# Altium PCB NGIStepUpPCB.PcbDoc (part 1 of 2)
Units mm, origin at the board's own origin, x right, y up, seen from the top; angles counter-clockwise.
Board outline 160 x 100 mm, 2 copper layers (Top Layer, Bottom Layer); 155 components, 76 nets, 427 pads, 362 vias.
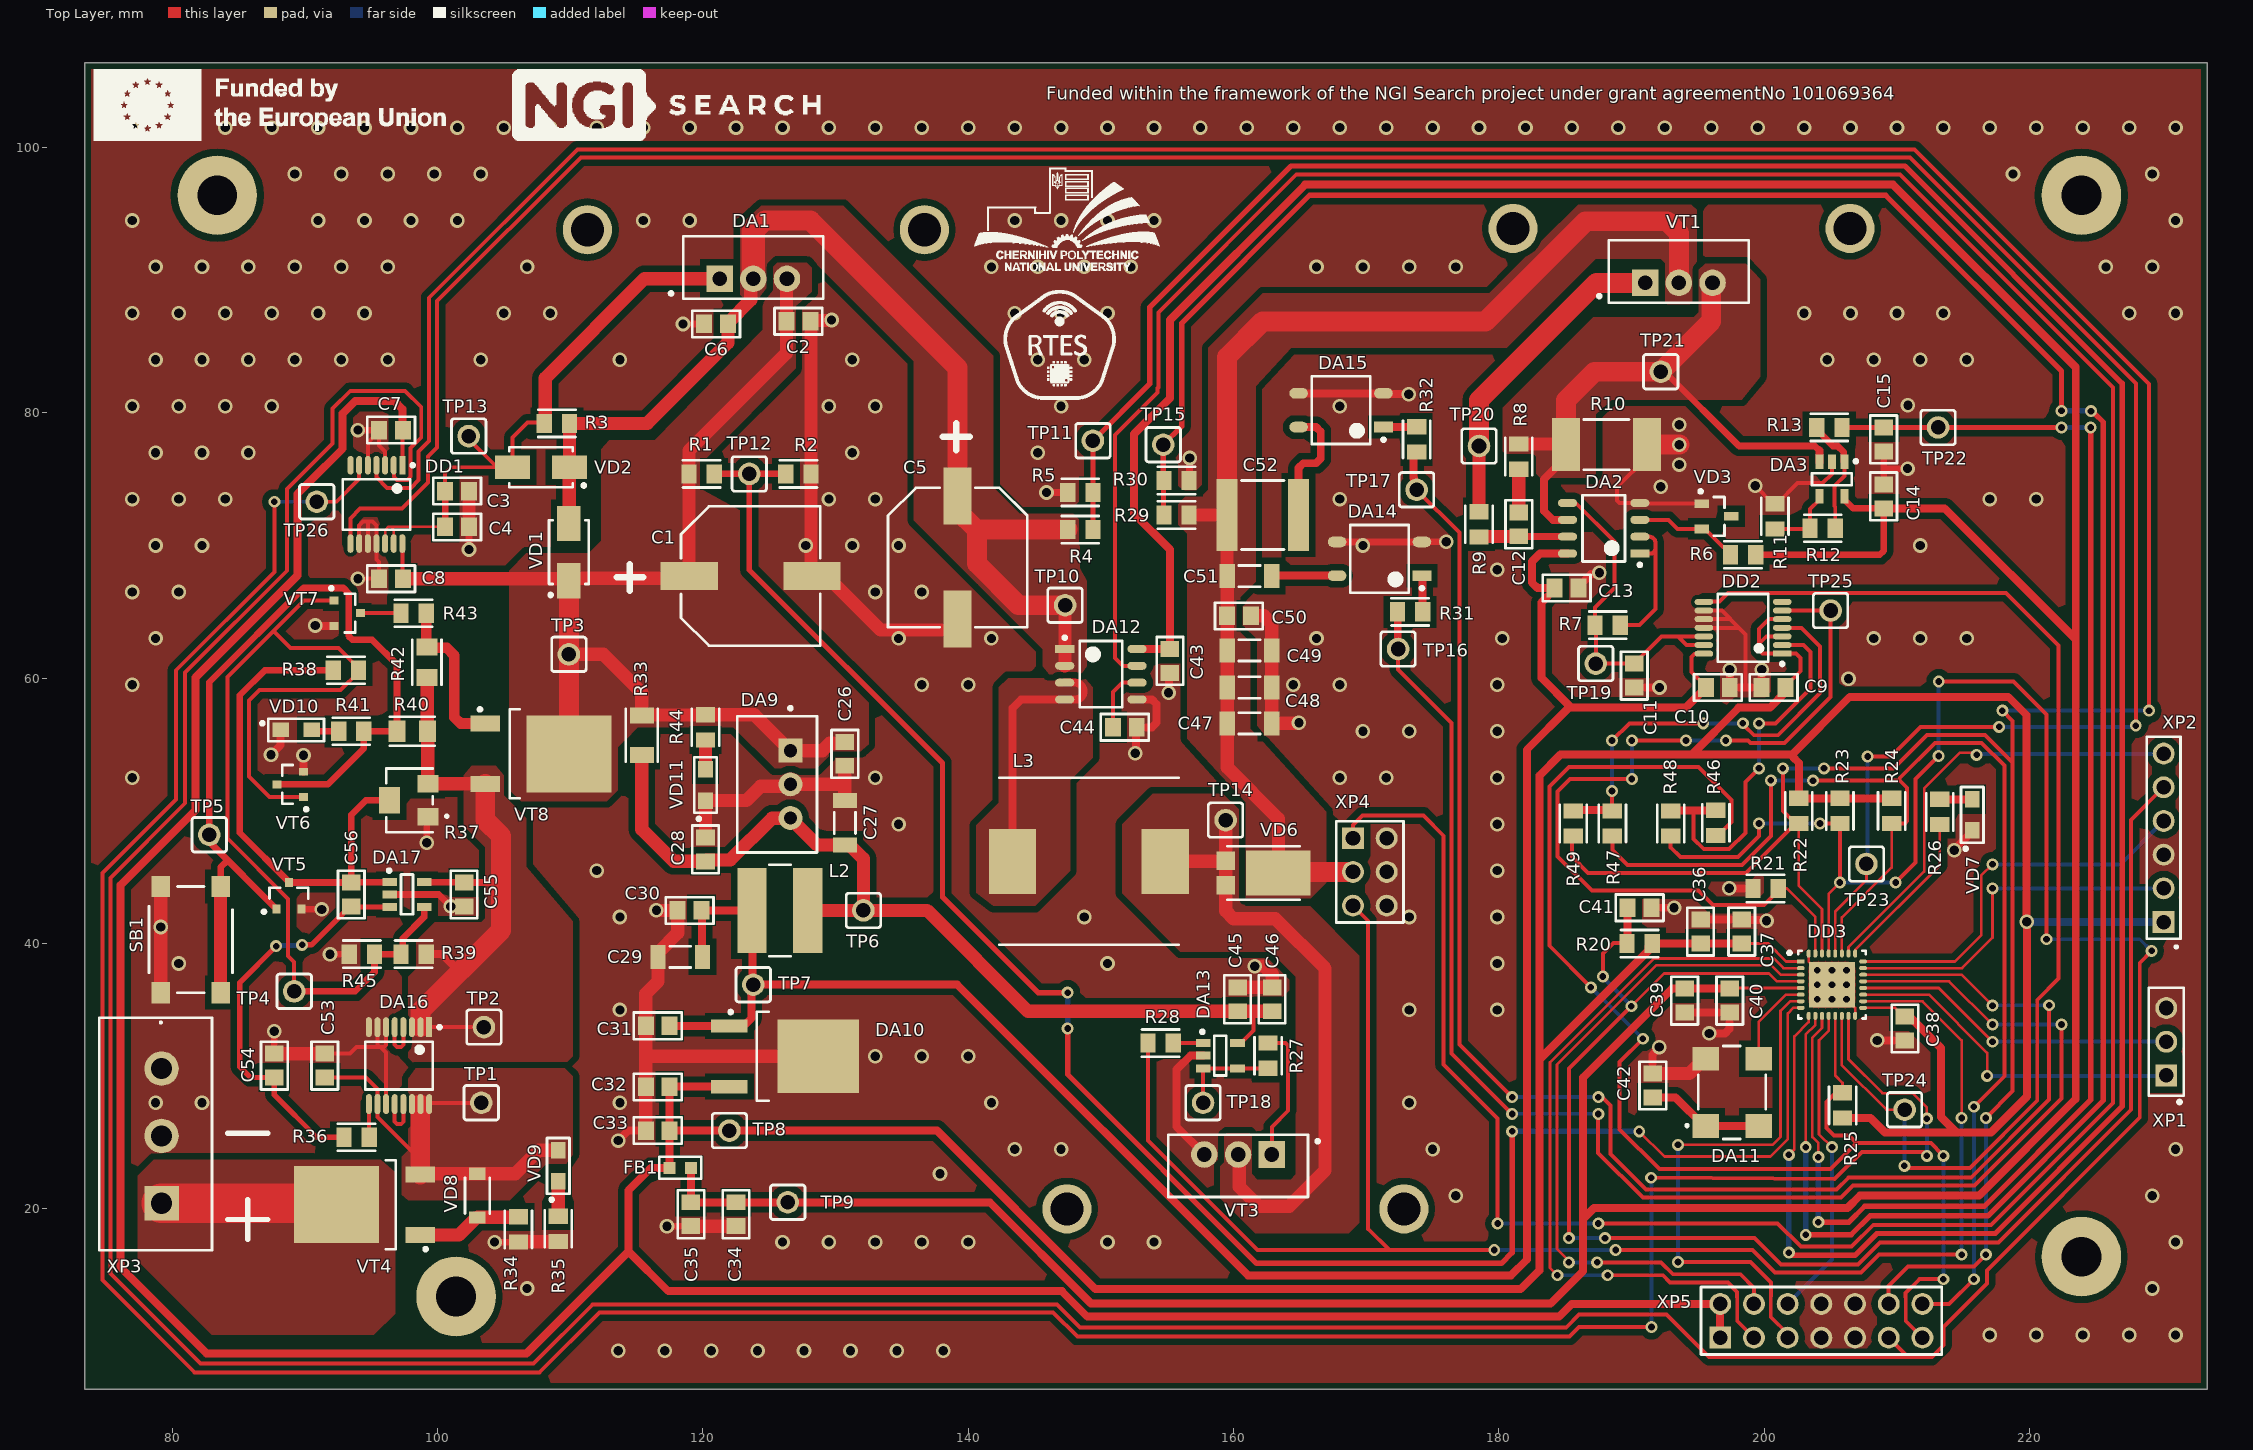
[diagram p0: Top Layer view]
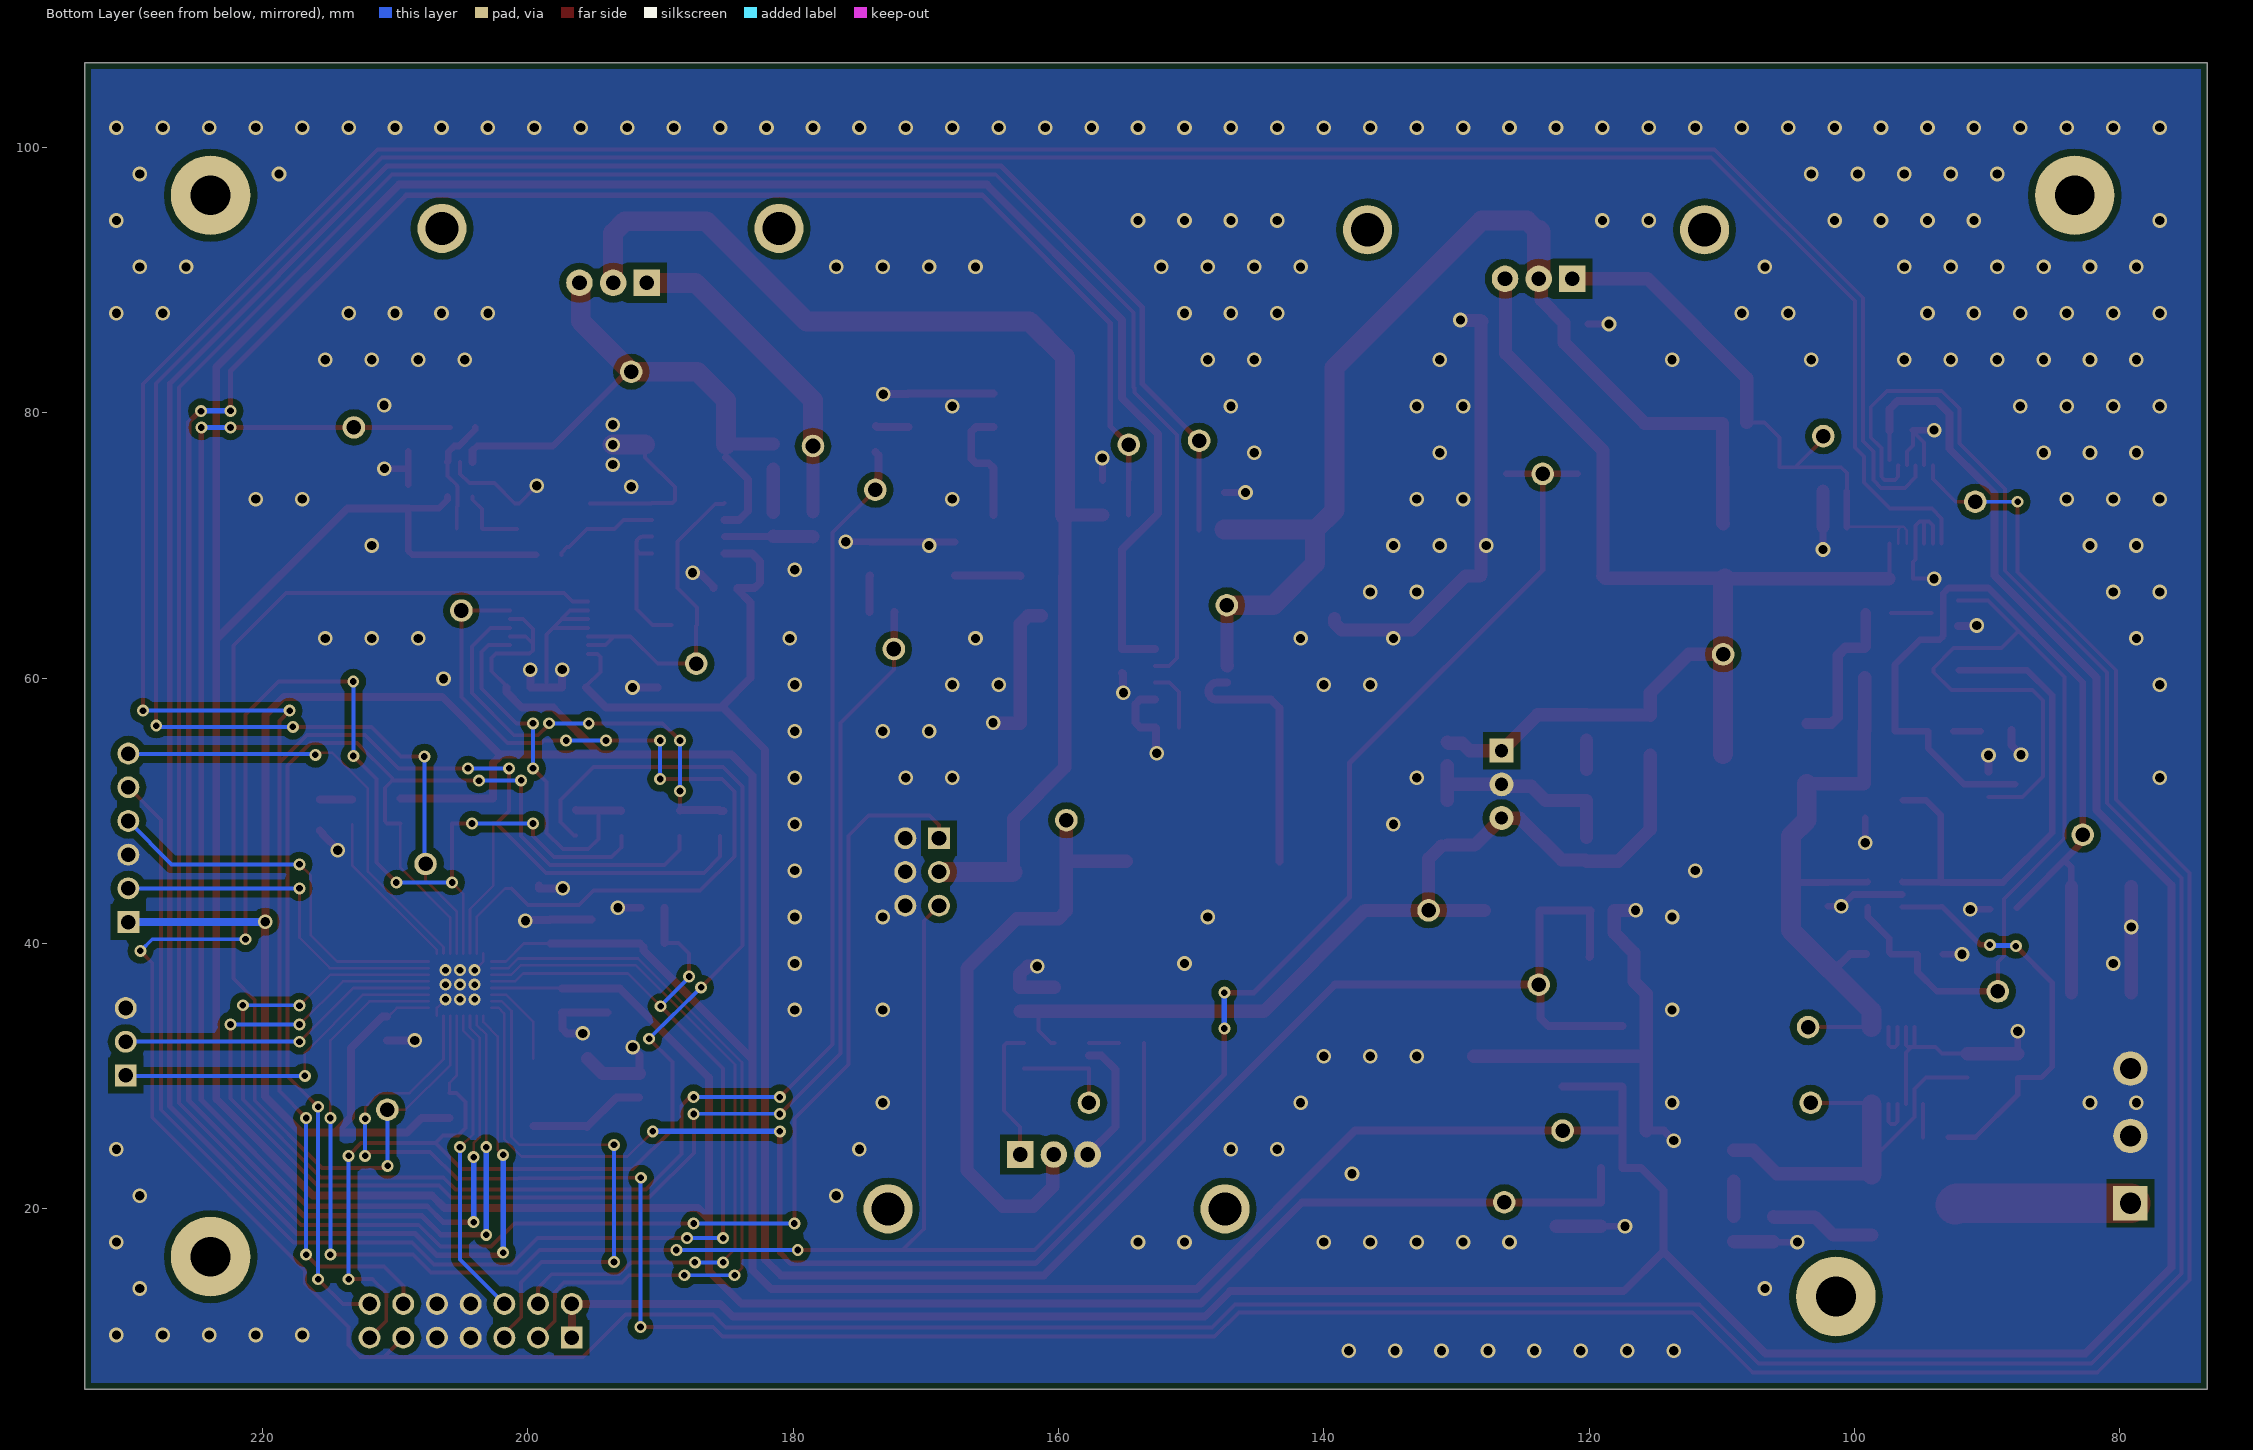
[diagram p1: Bottom Layer view, seen from below]
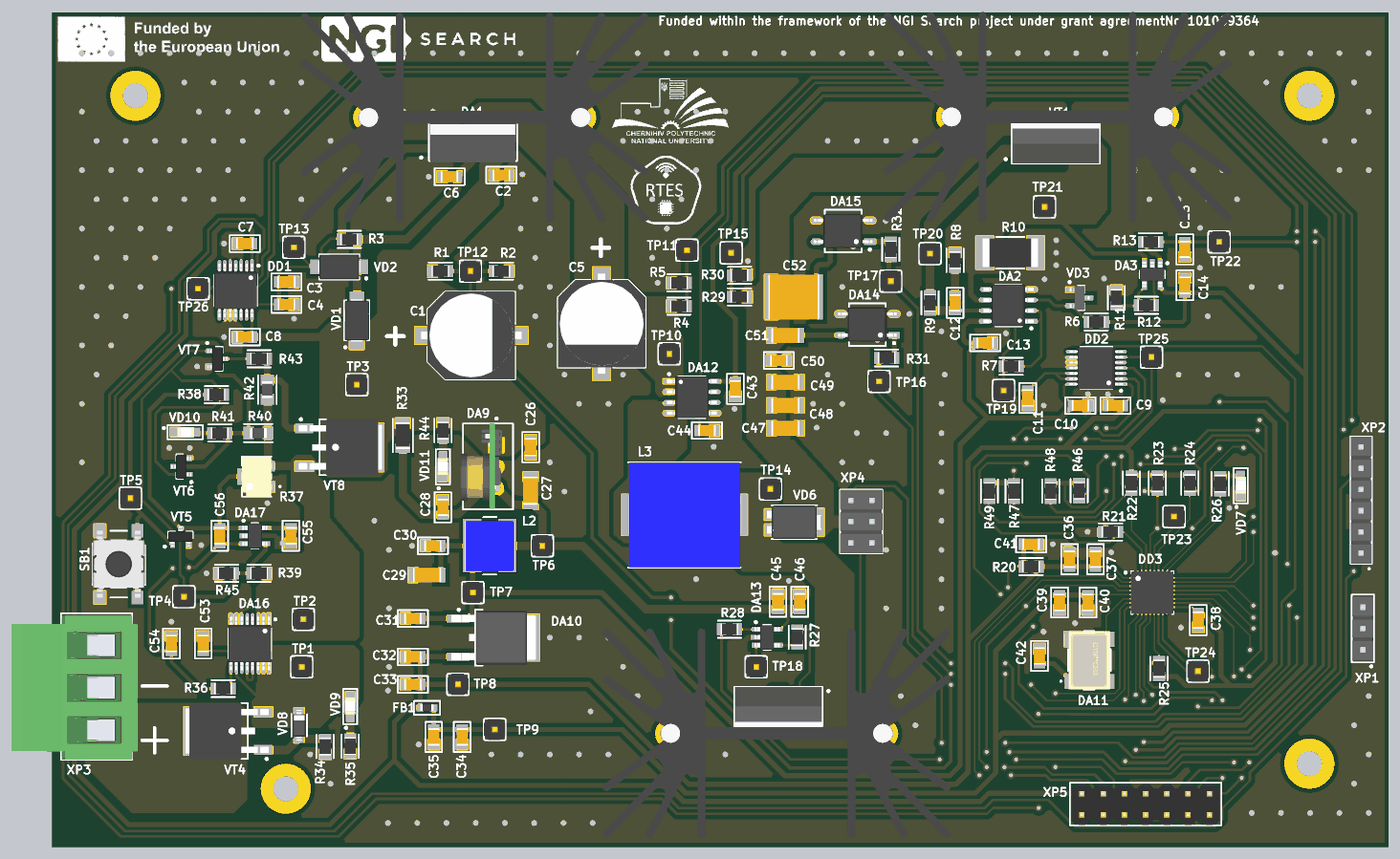
[diagram p3: 3D render of the assembled board from above, using the file's embedded part models]

## Layer stack, top to bottom
Top Solder: solder mask 0.0102, Solder Resist, Dk 3.5
Top Layer: signal copper 0.0356
Dielectric 1: dielectric 0.32, FR-4, Dk 4.8
Bottom Layer: signal copper 0.0356
Bottom Solder: solder mask 0.0102, Solder Resist, Dk 3.5

## Board outline
73.4,6.4 73.4,106.4 233.4,106.4 233.4,6.4

## Design rules (kind name [scope] priority, off if disabled: settings)
BoardOutlineClearance [All] p1: gap=0.5 ignorepadtopadclearanceinfootprint=FALSE except(1: SMDPad-OutlineEdge SMDPad-CavityEdge SMDPad-CutoutEdge SMDPad-SplitBarrior SMDPad-SplitContinuation THPad-OutlineEdge THPad-CavityEdge THPad-CutoutEdge THPad-SplitBarrior THPad-SplitContinuation Via-OutlineEdge Via-CavityEdge Via-CutoutEdge Via-SplitBarrior Via-SplitContinuation)
Clearance Clearance_TSSOP [All vs (HasFootprint('TSSOP-16') OR HasFootprint('TSOP-14'))] p1: gap=0.3 ignorepadtopadclearanceinfootprint=TRUE except(0: Arc-Hole Track-Hole SMDPad-Hole THPad-Hole Via-Hole Fill-Hole Poly-Hole Region-Hole Text-Hole; 0.25: Arc-Arc Arc-Track Arc-SMDPad Arc-Fill Arc-Poly Arc-Region Track-Track Track-SMDPad Track-Fill Track-Poly Track-Region)
Clearance Clearance_UFQFN [All vs HasFootprint('UFQFPN-32')] p2: gap=0.3 ignorepadtopadclearanceinfootprint=TRUE except(0: Arc-Hole Track-Hole SMDPad-Hole THPad-Hole Via-Hole Fill-Hole Poly-Hole Region-Hole Text-Hole; 0.2: Arc-Arc Arc-Track Arc-SMDPad Arc-Fill Arc-Poly Arc-Region Track-Track Track-SMDPad Track-Fill Track-Poly Track-Region SMDPad-SMDPad SMDPad-Fill SMDPad-Poly SMDPad-Region)
Clearance [All] p3: gap=0.3 ignorepadtopadclearanceinfootprint=TRUE except(0.5: Arc-Fill Arc-Poly Arc-Region Track-Fill Track-Poly Track-Region SMDPad-Fill SMDPad-Poly SMDPad-Region THPad-Fill THPad-Poly THPad-Region Via-Fill Via-Poly Via-Region Fill-Fill Fill-Poly Fill-Region Poly-Poly Poly-Region Region-Region)
ComponentClearance [All] p1: gap=0.3 collisioncheckmode=3 verticalgap=0.3 showdistances=FALSE
Height [All] p1: minheight=0 maxheight=100 prefheight=12.7
HoleSize [All] p1: absolutevalues=TRUE maxlimit=5 minlimit=0.3 maxpercent=80.000 minpercent=20.000
HoleToHoleClearance [All] p1: gap=0.6 allowstackedmicrovias=TRUE
MinimumSolderMaskSliver MinimumSolderMaskSliver_MCU [HasFootprint('UFQFPN-32') vs HasFootprint('UFQFPN-32')] p1: minsoldermaskwidth=0
MinimumSolderMaskSliver [All] p2: minsoldermaskwidth=0.1
PlaneConnect [All] p1: planeconnectstyle=Relief reliefexpansion=0.6 reliefentries=4 reliefconductorwidth=0.3 reliefairgap=0.3
PolygonConnect [All] p1: connectstyle=Direct reliefconductorwidth=0.3 reliefentries=4 polygonreliefangle="45 Angle" airgapwidth=0.3
RoutingCorners [All] p1: cornerstyle=45-Degree minsetback=2.5 maxsetback=2.5
RoutingVias [All] p1: holewidth=0.5 width=0.9 viastyle="Through Hole" minholewidth=0.3 minwidth=0.7 maxholewidth=0.7 maxwidth=1.1
SilkToSilkClearance [All] p1: silktosilkclearance=0.1
SilkToSolderMaskClearance [IsPad] p1: minsilkscreentomaskgap=0.2 clearancetoexposedcopper=TRUE
SolderMaskExpansion [All] p1: expansion=0.102
Width [All] p1: maxlimit=3 minlimit=0.2 preferedwidth=0.3
21 further rules are at their usual default settings.

## Classes and differential pairs
component class MCU: C36 C37 C38 C39 C40 C41 C42 DA11 DD3 R20 R21 R22 R23 R24 R25 R26 R46 R47 R48 R49 TP23 TP24 VD7 XP1 XP2 XP5
component class NGI_Search: XP3 XP4
component class "Polarity reversal and Short circuit protection": C53 C54 C55 C56 DA16 DA17 R34 R35 R36 R37 R38 R39 R40 R41 R42 R43 R44 R45 SB1 TP1 TP2 TP3 TP4 TP5 VD8 VD9 VD10 VD11 VT4 VT5 VT6 VT7 VT8
component class Power: C26 C27 C28 C29 C30 C31 C32 C33 C34 C35 DA9 DA10 FB1 L2 R33 TP6 TP7 TP8 TP9
component class "Regulated voltage input source": C1 C2 C3 C4 C5 C6 C7 C8 DA1 DD1 R1 R2 R3 R4 R5 TP10 TP11 TP12 TP13 TP26 VD1 VD2
component class "Regulate load": C9 C10 C11 C12 C13 C14 C15 DA2 DA3 DD2 R6 R7 R8 R9 R10 R11 R12 R13 TP19 TP20 TP21 TP22 TP25 VD3 VT1
component class Step-Up: C43 C44 C45 C46 C47 C48 C49 C50 C51 C52 DA12 DA13 DA14 DA15 L3 R27 R28 R29 R30 R31 R32 TP14 TP15 TP16 TP17 TP18 VD6

## Components (designator, comment, footprint, x,y, rotation, side; value= is the part's Value field where it differs from the comment)
C1 "EEH-ZA1V101P" EEH-ZA1V101P 123.6,67.7 r0 top value="100 uF"
C2 "CL21B104KBCNNWC" Capacitor0805_THICKNESS0.8 127.2,86.9 r0 top value="0.1 uF"
C3 "GRM21BR6YA106KE43K" Capacitor0805_THICKNESS1.45 101.475,74.1 r180 top value="10 uF"
C4 "CL21B104KBCNNWC" Capacitor0805_THICKNESS0.8 101.475,71.4 r180 top value="0.1 uF"
C5 "EEH-ZA1V101P" EEH-ZA1V101P 139.2,69.1 r270 top value="100 uF"
C6 "CL21B104KBCNNWC" Capacitor0805_THICKNESS0.8 121,86.7 r0 top value="0.1 uF"
C7 "CL21B104KBCNNWC" Capacitor0805_THICKNESS0.8 96.5,78.7 r0 top value="0.1 uF"
C8 "CL21B104KBCNNWC" Capacitor0805_THICKNESS0.8 96.5,67.5 r0 top value="0.1 uF"
C9 "CL21B104KBCNNWC" Capacitor0805_THICKNESS0.8 200.7,59.3 r0 top value="0.1 uF"
C10 "CL21B104KBCNNWC" Capacitor0805_THICKNESS0.8 196.5,59.3 r180 top value="0.1 uF"
C11 "CL21B103KBANNNL" Capacitor0805_THICKNESS0.8 190.2,60.2 r90 top value="0.01 uF"
C12 "CL21B223KBANNND" Capacitor0805_THICKNESS0.8 181.5,71.6 r270 top value="0.022 uF"
C13 "CL21B104KBCNNWC" Capacitor0805_THICKNESS0.8 185.1,66.8 r180 top value="0.1 uF"
C14 "CL21B104KBCNNWC" Capacitor0805_THICKNESS0.8 209,73.7 r270 top value="0.1 uF"
C15 "C0805C333K5RAC" Capacitor0805_THICKNESS0.8 209,78 r90 top value="0.033 uF"
C26 "GRM21BR6YA106KE43K" Capacitor0805_THICKNESS1.45 130.7,54.3 r90 top value="10 uF"
C27 "C3216X5R1V226M160AC" Capacitor1206_THICKNESS1.6 130.7,49.1 r270 top value="22 uF"
C28 "CL21B104KBCNNWC" Capacitor0805_THICKNESS0.8 120.2,47.1 r270 top value="0.1 uF"
C29 "C3216X5R1V226M160AC" Capacitor1206_THICKNESS1.6 118.3,39 r0 top value="22 uF"
C30 "CL21B104KBCNNWC" Capacitor0805_THICKNESS0.8 119,42.5 r0 top value="0.1 uF"
C31 "CC0805KKX7R8BB334" Capacitor0805_THICKNESS1.25 116.6,33.8 r0 top value=0.33uF
C32 "CL21B104KBCNNWC" Capacitor0805_THICKNESS0.8 116.6,29.2 r0 top value="0.1 uF"
C33 "GRM21BR61A476ME15K" Capacitor0805_THICKNESS1.25 116.6,25.9 r0 top value="47 uF"
C34 "CL21A475KAQNNNF" Capacitor0805_THICKNESS1.25 122.5,19.6 r90 top value="4.7 uF"
C35 "CL21B104KBCNNWC" Capacitor0805_THICKNESS0.8 119.1,19.6 r90 top value="0.1 uF"
C36 "CL21A475KAQNNNF" Capacitor0805_THICKNESS1.25 195.2,40.9 r270 top value="4.7 uF"
C37 "CL21B104KBCNNWC" Capacitor0805_THICKNESS0.8 198.3,40.9 r270 top value="0.1 uF"
C38 "CL21B104KBCNNWC" Capacitor0805_THICKNESS0.8 210.6,33.6 r90 top value="0.1 uF"
C39 "CL21B105KAFNFNE" Capacitor0805_THICKNESS1.25 194,35.7 r90 top value="1 uF"
C40 "CL21B103KBANNNL" Capacitor0805_THICKNESS0.8 197.4,35.7 r90 top value="0.01 uF"
C41 "CL21B104KBCNNWC" Capacitor0805_THICKNESS0.8 190.6,42.7 r180 top value="0.1 uF"
C42 "CL21B103KBANNNL" Capacitor0805_THICKNESS0.8 191.6,29.3 r270 top value="0.01 uF"
C43 "CL21B105KAFNFNE" Capacitor0805_THICKNESS1.25 155.2,61.3 r270 top value="1 uF"
C44 "CC0805CRNPO9BN5R0" Capacitor0805_THICKNESS0.6 151.8,56.3 r180 top value="5 pF"
C45 "CL21A475KAQNNNF" Capacitor0805_THICKNESS1.25 160.3,35.8 r270 top value="4.7 uF"
C46 "CL21B104KBCNNWC" Capacitor0805_THICKNESS0.8 162.9,35.8 r270 top value="0.1 uF"
C47 "C3216X5R1V226M160AC" Capacitor1206_THICKNESS1.6 161.2,56.6 r180 top value="22 uF"
C48 "C3216X5R1V226M160AC" Capacitor1206_THICKNESS1.6 161.2,59.3 r180 top value="22 uF"
C49 "C3216X5R1V226M160AC" Capacitor1206_THICKNESS1.6 161.2,62.1 r0 top value="22 uF"
C50 "CL21B104KBCNNWC" Capacitor0805_THICKNESS0.8 160.4,64.7 r0 top value="0.1 uF"
C51 "C3216X5R1V226M160AC" Capacitor1206_THICKNESS1.6 161.2,67.7 r0 top value="22 uF"
C52 "C5750X7R1V476M230KC" Capacitor2220_THICKNESS3.1 162.2,72.3 r180 top value=47uF
C53 "CL21B104KBCNNWC" Capacitor0805_THICKNESS0.8 91.5,30.8 r270 top value="0.1 uF"
C54 "CC0805JRNPO9BN681" Capacitor0805_THICKNESS0.6 87.7,30.8 r270 top value=680pF
C55 "CL21B104KBCNNWC" Capacitor0805_THICKNESS0.8 102,43.7 r90 top value="0.1 uF"
C56 "CC0805JRNPO9BN100" Capacitor0805_THICKNESS0.6 93.5,43.7 r90 top value="10 pF"
DA1 "LM338T" "LM338T TO-220 with HS FA-T220-64E" 123.8,90.1 r0 top
DA2 "LM258DRG4" SOIC-8 187.9,71.3 r180 top
DA3 "AD8601WDRTZ-REEL" "SOT-23 5pin" 205.1,75 r270 top
DA9 "PXO7812-500-S" PXO7812-500-S_POSITIVEOUTPUT 126.6,54.54 r270 top
DA10 "UA78M33CKVURG3" "TO-252 3pin THICKNESS2.52" 126.2,31.5 r0 top
DA11 "ASV-8.000MHZ-EJ-T" "HCMOS 7 mm x 5 mm" 197.4,28.9 r0 top value="8 Mhz"
DA12 "CT426-HSN820DR" SOIC-8 150,60.3 r0 top
DA13 "IRS44273LTRPBF" "SOT-23 5pin" 159,31.55 r0 top
DA14 "G3VM-61GR2" SOP-4 171,69 r180 top
DA15 "G3VM-61GR2" SOP-4 168.1,80.2 r180 top
DA16 "INA250A1PWR" TSSOP-16 97.1,30.8 r270 top
DA17 "TLV1701AIDCKR" "SOT-23 5pin" 97.7,43.7 r0 top
DD1 "MCP45HV51-502E/ST" TSOP-14 95.4,73.1 r270 top
DD2 "MCP45HV51-502E/ST" TSOP-14 198.4,63.8 r180 top
DD3 "STM32L432KCU6" UFQFPN-32 205.1,36.9 r0 top
FB1 "742792664" "742792664_Ferrite Beads_0603" 118.3,23.1 r0 top value=1000Ohm
L2 "SRN6045HA-470M" SRN6045HA-470M 125.8,42.5 r180 top value="47 uH"
L3 "PA4343.223ANLT" "PA4343.223ANLT_Footprint 2" 149.1,46.2 r0 top value="22 uH"
R1 "RC0805FR-079K1L" Resistor0805_THICKNESS0.6 119.9,75.4 r0 top value="9.1 kOhms"
R2 "RC0805FR-101K3L" Resistor0805_THICKNESS0.6 127.2,75.4 r0 top value="1.3 kOhms"
R3 "RC0805FR-07120RL" Resistor0805_THICKNESS0.6 109,79.2 r0 top value="120 Ohms"
R4 "RC0805FR-079K1L" Resistor0805_THICKNESS0.6 148.45,71.2 r0 top value="9.1 kOhms"
R5 "RC0805FR-101K3L" Resistor0805_THICKNESS0.6 148.45,74 r180 top value="1.3 kOhms"
R6 "RC0805FR-103K9L" Resistor0805_THICKNESS0.6 198.4,69.3 r0 top value=3.9kOhms
R7 "RC0805FR-1020KL" Resistor0805_THICKNESS0.6 188.2,64 r0 top value="20 kOhms"
R8 "RC0805FR-072KL" Resistor0805_THICKNESS0.6 181.5,76.7 r270 top value="2 kOhms"
R9 "RC0805FR-07120RL" Resistor0805_THICKNESS0.6 178.5,71.6 r90 top value="120 Ohms"
R10 "CRA2512-FZ-R100ELF" Resistor2512_THICKNESS_0.9 188.1,77.6 r180 top value="100 mOhms"
R11 "RC0805FR-072KL" Resistor0805_THICKNESS0.6 200.8,72.2 r90 top value="2 kOhms"
R12 "RC0805FR-0710KL" Resistor0805_THICKNESS0.6 204.4,71.3 r0 top value="10 kOhms"
R13 "RC0805FR-07120RL" Resistor0805_THICKNESS0.6 204.9,78.9 r0 top value="120 Ohms"
R20 "RC0805FR-0710KL" Resistor0805_THICKNESS0.6 190.6,40 r0 top value="10 kOhms"
R21 "RC0805FR-0710KL" Resistor0805_THICKNESS0.6 200.1,44.15 r180 top value="10 kOhms"
R22 "RC0805FR-0710KL" Resistor0805_THICKNESS0.6 202.6,50 r270 top value="10 kOhms"
R23 "RC0805FR-0710KL" Resistor0805_THICKNESS0.6 205.7,50 r90 top value="10 kOhms"
R24 "RC0805FR-0710KL" Resistor0805_THICKNESS0.6 209.6,50 r270 top value="10 kOhms"
R25 "RC0805FR-0710KL" Resistor0805_THICKNESS0.6 205.9,27.8 r90 top value="10 kOhms"
R26 "RC0805FR-10200RL" Resistor0805_THICKNESS0.6 213.225,49.925 r270 top value="200 Ohms"
R27 "RE0805FRE0710RL" Resistor0805_THICKNESS0.6 162.6,31.55 r90 top value="10 Ohms"
R28 "RC0805FR-07120RL" Resistor0805_THICKNESS0.6 154.5,32.5 r0 top value="120 Ohms"
R29 "RC0805FR-079K1L" Resistor0805_THICKNESS0.6 155.7,72.3 r0 top value="9.1 kOhms"
R30 "RC0805FR-101K3L" Resistor0805_THICKNESS0.6 155.7,74.9 r180 top value="1.3 kOhms"
R31 "RC0805FR-07390RL" Resistor0805_THICKNESS0.6 173.3,65 r0 top value="390 Ohms"
R32 "RC0805FR-07390RL" Resistor0805_THICKNESS0.6 173.8,78 r90 top value="390 Ohms"
R33 "RC1206FR-070RL" Resistor1206_THICKNESS0.65 115.4,55.7 r270 top value="0 Ohms"
R34 "RE0805FRE0739KL" Resistor0805_THICKNESS0.6 106.1,18.45 r90 top value="39 kOhms"
R35 "RC0805FR-132K2L" Resistor0805_THICKNESS0.6 109.1,18.5 r90 top value="2.2 kOhms"
R36 "RC0805FR-0710KL" Resistor0805_THICKNESS0.6 93.9,25.4 r180 top value="10 kOhms"